# KiCad board keyboard0.kicad_pcb
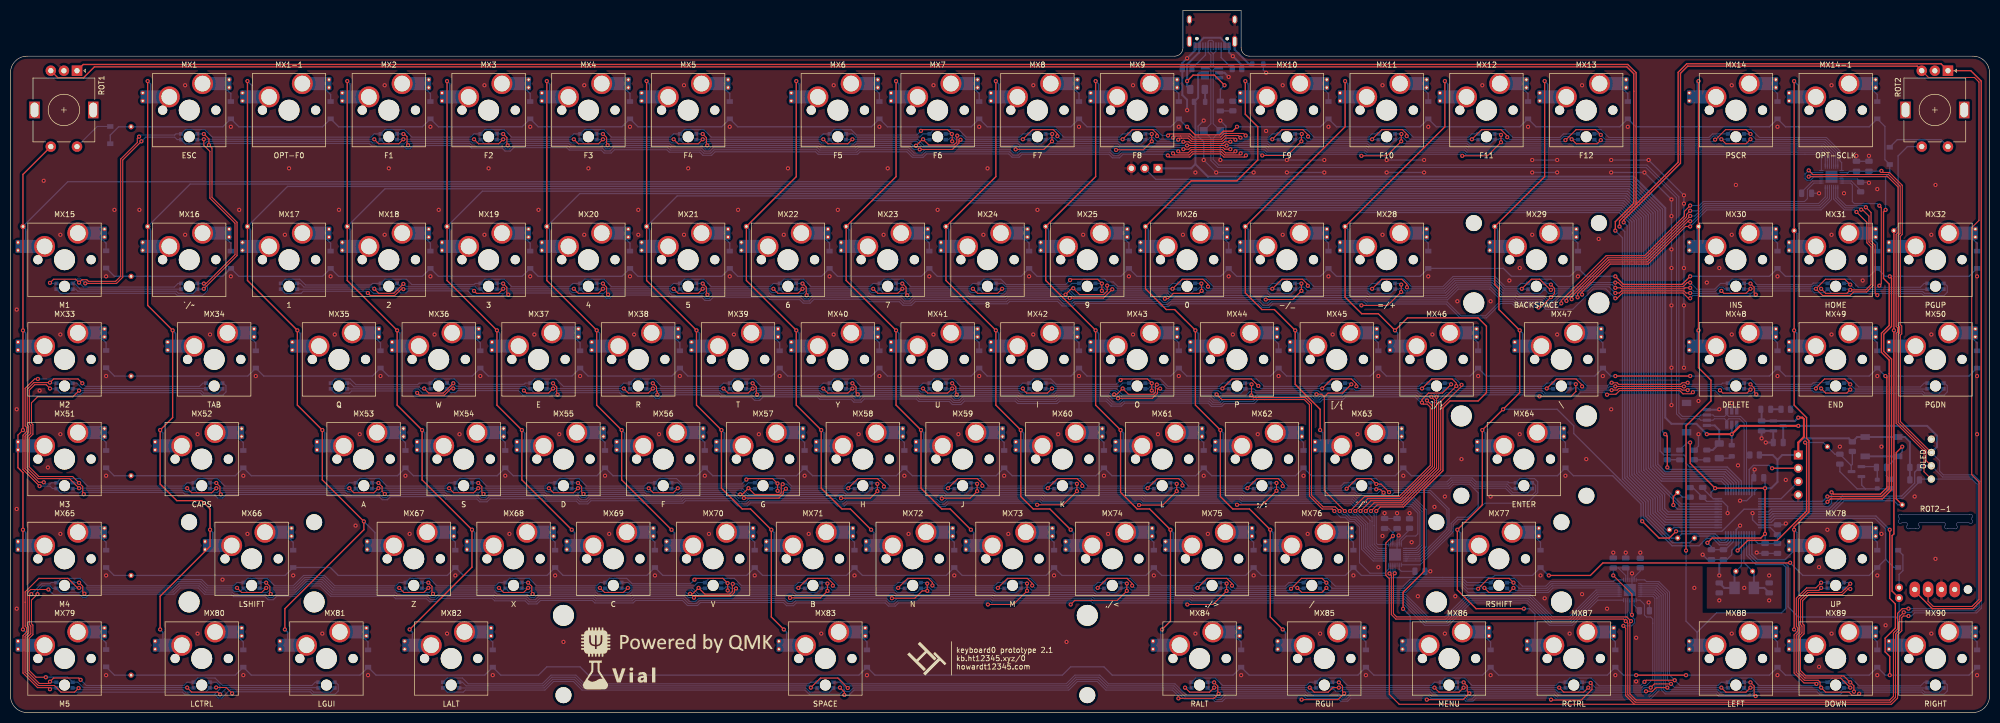
[diagram p0: board, top side]
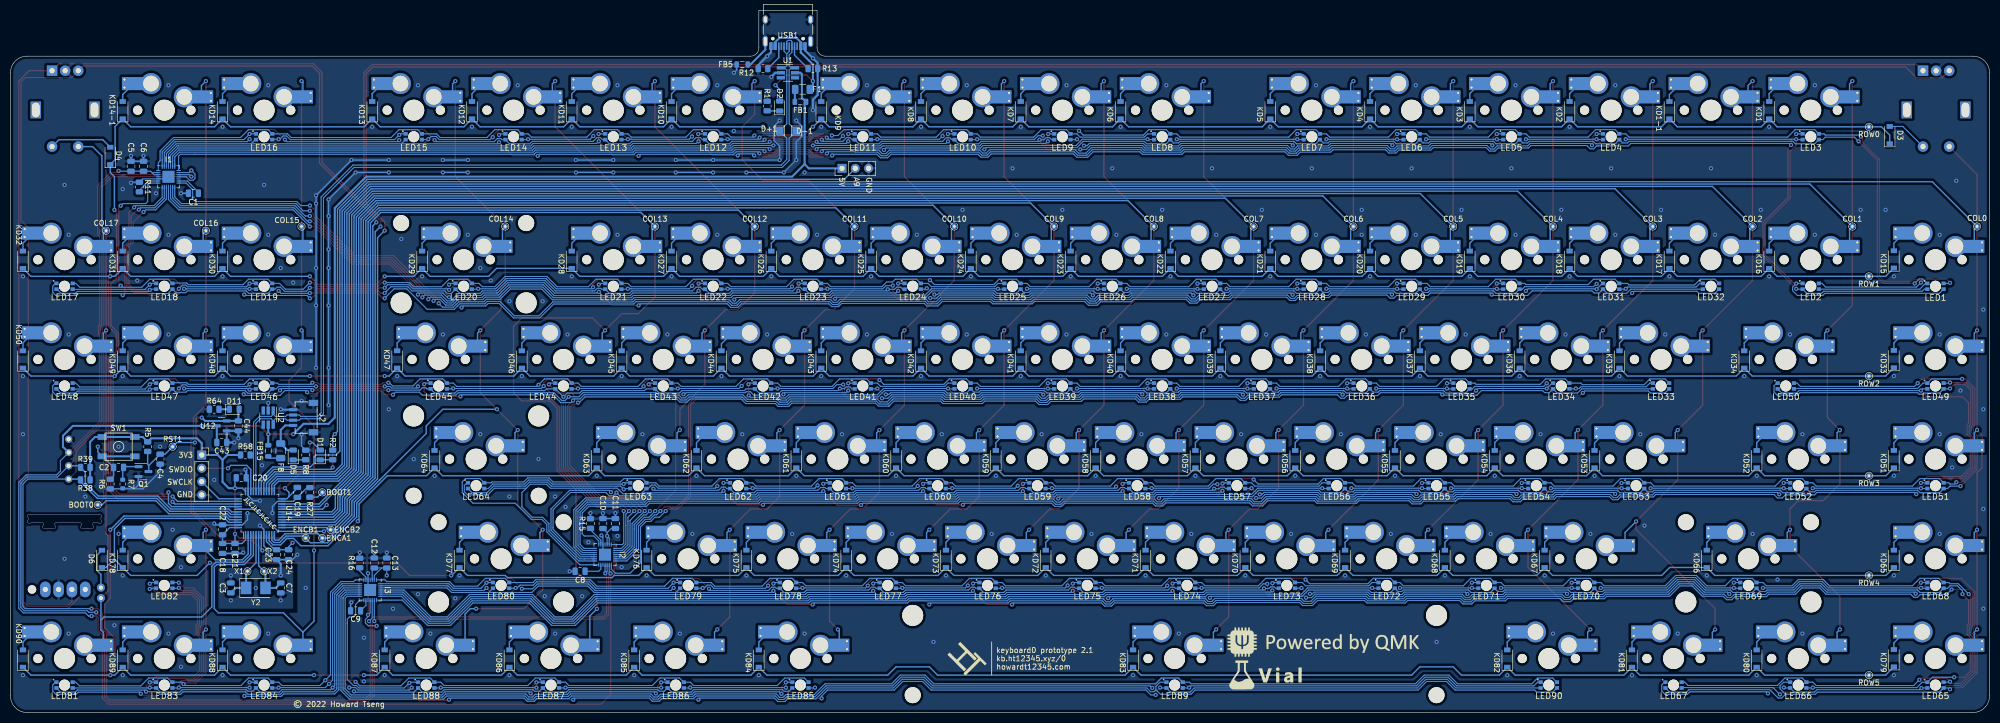
[diagram p1: board, bottom side, seen from below]

Outline 377.8 x 134.14 mm; copper layers: Top, Bottom. Coordinates in mm from the lower left corner of the outline.
Outline path: 0,122.23 arc(0.93,124.47) 3.17,125.4 222.24,125.4 arc(223.36,125.87) 223.82,126.99 223.82,134.14 234.94,134.14 234.94,126.99 arc(235.4,125.87) 236.52,125.4 374.63,125.4 arc(376.87,124.47) 377.8,122.23 377.8,3.17 arc(376.87,0.93) 374.63,0 3.17,0 arc(0.93,0.93) 0,3.17 0,122.23
Stack: Top 0.035mm / dielectric 1.51mm FR4 er 4.5 / Bottom 0.035mm

## Placement (name value [footprint] x y rotation side)
BOOT0  TestPoint_Small  [TestPoint_THTPad_D1.0mm_Drill0.5mm]  361.13 39.69 0 bottom
BOOT1  TestPoint_Small  [TestPoint_THTPad_D1.0mm_Drill0.5mm]  318.27 42.07 0 bottom
C1  100nF  [C_0805_2012Metric]  342.88 99.21 0 bottom
C2  4.7uF  [C_0805_2012Metric]  357.16 46.83 0 bottom
C3  20pF  [C_0805_2012Metric]  335.74 23.81 90 bottom
C4  1uF  [C_0805_2012Metric]  349.23 48.42 270 bottom
C5  1uF  [C_0805_2012Metric]  354.78 104.37 90 bottom
C6  100nF  [C_0805_2012Metric]  352.4 104.37 90 bottom
C7  20pF  [C_0805_2012Metric]  326.21 23.81 270 bottom
C8  100nF  [C_0805_2012Metric]  269.06 26.99 0 bottom
C9  100nF  [C_0805_2012Metric]  311.92 19.45 0 bottom
C10  1uF  [C_0805_2012Metric]  264.7 36.11 90 bottom
C11  100nF  [C_0805_2012Metric]  262.32 36.11 90 bottom
C12  1uF  [C_0805_2012Metric]  308.35 28.57 90 bottom
C13  100nF  [C_0805_2012Metric]  305.97 28.57 90 bottom
C18  100nF  [C_0805_2012Metric]  337.32 31.35 270 bottom
C19  100nF  [C_0805_2012Metric]  323.04 42.07 270 bottom
C20  100nF  [C_0805_2012Metric]  333.75 44.84 180 bottom
C21  10uF  [C_0805_2012Metric]  334.94 31.35 270 bottom
C22  100nF  [C_0805_2012Metric]  337.32 34.92 90 bottom
C23  10nF  [C_0805_2012Metric]  327 30.16 90 bottom
C24  1uF  [C_0805_2012Metric]  324.7 30.16 270 bottom
C43  1uF  [C_0805_2012Metric]  337.47 51.59 180 bottom
C44  1uF  [C_0805_2012Metric]  334.29 54.77 270 bottom
COL0  TestPoint_Small  [TestPoint_THTPad_D1.0mm_Drill0.5mm]  2.38 92.86 0 bottom
COL1  TestPoint_Small  [TestPoint_THTPad_D1.0mm_Drill0.5mm]  26.19 92.86 180 bottom
COL2  TestPoint_Small  [TestPoint_THTPad_D1.0mm_Drill0.5mm]  45.24 92.86 180 bottom
COL3  TestPoint_Small  [TestPoint_THTPad_D1.0mm_Drill0.5mm]  64.29 92.86 180 bottom
COL4  TestPoint_Small  [TestPoint_THTPad_D1.0mm_Drill0.5mm]  83.34 92.86 180 bottom
COL5  TestPoint_Small  [TestPoint_THTPad_D1.0mm_Drill0.5mm]  102.39 92.86 180 bottom
COL6  TestPoint_Small  [TestPoint_THTPad_D1.0mm_Drill0.5mm]  121.44 92.86 180 bottom
COL7  TestPoint_Small  [TestPoint_THTPad_D1.0mm_Drill0.5mm]  140.48 92.86 180 bottom
COL8  TestPoint_Small  [TestPoint_THTPad_D1.0mm_Drill0.5mm]  159.53 92.86 180 bottom
COL9  TestPoint_Small  [TestPoint_THTPad_D1.0mm_Drill0.5mm]  178.58 92.86 180 bottom
COL10  TestPoint_Small  [TestPoint_THTPad_D1.0mm_Drill0.5mm]  197.63 92.86 180 bottom
COL11  TestPoint_Small  [TestPoint_THTPad_D1.0mm_Drill0.5mm]  216.68 92.86 180 bottom
COL12  TestPoint_Small  [TestPoint_THTPad_D1.0mm_Drill0.5mm]  235.73 92.86 180 bottom
COL13  TestPoint_Small  [TestPoint_THTPad_D1.0mm_Drill0.5mm]  254.78 92.86 180 bottom
COL14  TestPoint_Small  [TestPoint_THTPad_D1.0mm_Drill0.5mm]  283.35 92.86 180 bottom
COL15  TestPoint_Small  [TestPoint_THTPad_D1.0mm_Drill0.5mm]  322.24 92.86 180 bottom
COL16  TestPoint_Small  [TestPoint_THTPad_D1.0mm_Drill0.5mm]  340.5 92.07 180 bottom
COL17  TestPoint_Small  [TestPoint_THTPad_D1.0mm_Drill0.5mm]  359.55 92.07 180 bottom
D1  Green  [LED_0805_2012Metric]  318.67 49.21 90 bottom
D2  Red  [LED_0805_2012Metric]  230.97 115.88 90 bottom
D3  SOD-123  [D_SOD-123]  19.05 110.32 90 bottom
D4  SOD-123  [D_SOD-123]  358.75 106.36 90 bottom
D5  Red  [LED_0805_2012Metric]  323.83 49.21 90 bottom
D6  SOD-123  [D_SOD-123]  360.34 29.37 90 bottom
D11  Red  [LED_0805_2012Metric]  335.09 57.94 180 bottom
D+1  TestPoint_Small  [TestPoint_Pad_1.5x1.5mm]  230.97 111.12 0 bottom
D-1  TestPoint_Small  [TestPoint_Pad_1.5x1.5mm]  227.79 111.12 0 bottom
ENCA1  TestPoint_Small  [TestPoint_THTPad_D1.0mm_Drill0.5mm]  318.27 33.34 180 bottom
ENCB1  TestPoint_Small  [TestPoint_THTPad_D1.0mm_Drill0.5mm]  321.45 33.34 0 bottom
ENCB2  TestPoint_Small  [TestPoint_THTPad_D1.0mm_Drill0.5mm]  316.69 34.92 180 bottom
F1  500mA  [Fuse_1206_3216Metric]  226.6 119.06 0 bottom
F8  500mA  [Fuse_1206_3216Metric]  326.21 50 270 bottom
FB1  60 @ 100 MHz  [L_0805_2012Metric]  227 116.67 180 bottom
FB5  60 @ 100 MHz  [L_0805_2012Metric]  238.11 123.82 180 bottom
FB15  60 @ 100 MHz  [L_0805_2012Metric]  328.59 50 90 bottom
I1  IS31FL3731-QFLS2  [QFN-28-1EP_4x4mm_P0.4mm_EP2.3x2.3mm]  347.64 102.35 180 bottom
I2  IS31FL3731-QFLS2  [QFN-28-1EP_4x4mm_P0.4mm_EP2.3x2.3mm]  264.3 30.16 270 bottom
I3  IS31FL3731-QFLS2  [QFN-28-1EP_4x4mm_P0.4mm_EP2.3x2.3mm]  309.15 23.41 270 bottom
J1  Conn_01x04  [PinSocket_1x04_P2.54mm_Vertical]  341.29 49.21 180 bottom
J2  SM04B-SRSS-TB(LF)(SN)  [JST-SR-4]  319.07 56.35 90 bottom
J3  Conn_01x03  [PinHeader_1x03_P2.54mm_Vertical]  219.06 103.97 90 bottom
KD1  SOD-123  [D_SOD-123]  42.07 115.09 90 bottom
KD1-1  SOD-123  [D_SOD-123]  61.11 115.09 90 bottom
KD2  SOD-123  [D_SOD-123]  80.16 115.09 90 bottom
KD3  SOD-123  [D_SOD-123]  99.21 115.09 90 bottom
KD4  SOD-123  [D_SOD-123]  118.26 115.09 90 bottom
KD5  SOD-123  [D_SOD-123]  137.31 115.09 90 bottom
KD6  SOD-123  [D_SOD-123]  165.88 115.09 90 bottom
KD7  SOD-123  [D_SOD-123]  184.93 115.09 90 bottom
KD8  SOD-123  [D_SOD-123]  203.98 115.09 90 bottom
KD9  SOD-123  [D_SOD-123]  223.03 115.09 90 bottom
KD10  SOD-123  [D_SOD-123]  251.6 115.09 90 bottom
KD11  SOD-123  [D_SOD-123]  270.65 115.09 90 bottom
KD12  SOD-123  [D_SOD-123]  289.7 115.09 90 bottom
KD13  SOD-123  [D_SOD-123]  308.75 115.09 90 bottom
KD14  SOD-123  [D_SOD-123]  337.32 115.09 90 bottom
KD14-1  SOD-123  [D_SOD-123]  356.37 115.09 90 bottom
KD15  SOD-123  [D_SOD-123]  18.26 86.58 90 bottom
KD16  SOD-123  [D_SOD-123]  42.07 86.51 90 bottom
KD17  SOD-123  [D_SOD-123]  61.11 86.51 90 bottom
KD18  SOD-123  [D_SOD-123]  80.16 86.51 90 bottom
KD19  SOD-123  [D_SOD-123]  99.21 86.51 90 bottom
KD20  SOD-123  [D_SOD-123]  118.26 86.51 90 bottom
KD21  SOD-123  [D_SOD-123]  137.31 86.51 90 bottom
KD22  SOD-123  [D_SOD-123]  156.36 86.51 90 bottom
KD23  SOD-123  [D_SOD-123]  175.41 86.51 90 bottom
KD24  SOD-123  [D_SOD-123]  194.46 86.51 90 bottom
KD25  SOD-123  [D_SOD-123]  213.51 86.51 90 bottom
KD26  SOD-123  [D_SOD-123]  232.55 86.51 90 bottom
KD27  SOD-123  [D_SOD-123]  251.6 86.51 90 bottom
KD28  SOD-123  [D_SOD-123]  270.65 86.51 90 bottom
KD29  SOD-123  [D_SOD-123]  299.22 86.51 90 bottom
KD30  SOD-123  [D_SOD-123]  337.32 86.51 90 bottom
KD31  SOD-123  [D_SOD-123]  356.37 86.51 90 bottom
KD32  SOD-123  [D_SOD-123]  375.42 86.51 90 bottom
KD33  SOD-123  [D_SOD-123]  18.26 67.53 90 bottom
KD34  SOD-123  [D_SOD-123]  46.83 67.46 90 bottom
KD35  SOD-123  [D_SOD-123]  70.64 67.46 90 bottom
KD36  SOD-123  [D_SOD-123]  89.69 67.46 90 bottom
KD37  SOD-123  [D_SOD-123]  108.74 67.46 90 bottom
KD38  SOD-123  [D_SOD-123]  127.79 67.46 90 bottom
KD39  SOD-123  [D_SOD-123]  146.83 67.46 90 bottom
KD40  SOD-123  [D_SOD-123]  165.88 67.46 90 bottom
KD41  SOD-123  [D_SOD-123]  184.93 67.46 90 bottom
KD42  SOD-123  [D_SOD-123]  203.98 67.46 90 bottom
KD43  SOD-123  [D_SOD-123]  223.03 67.46 90 bottom
KD44  SOD-123  [D_SOD-123]  242.08 67.46 90 bottom
KD45  SOD-123  [D_SOD-123]  261.13 67.46 90 bottom
KD46  SOD-123  [D_SOD-123]  280.18 67.46 90 bottom
KD47  SOD-123  [D_SOD-123]  303.99 67.46 90 bottom
KD48  SOD-123  [D_SOD-123]  337.32 67.46 90 bottom
KD49  SOD-123  [D_SOD-123]  356.37 67.46 90 bottom
KD50  SOD-123  [D_SOD-123]  375.42 67.46 90 bottom
KD51  SOD-123  [D_SOD-123]  18.26 48.42 90 bottom
KD52  SOD-123  [D_SOD-123]  44.45 48.42 90 bottom
KD53  SOD-123  [D_SOD-123]  75.4 48.42 90 bottom
KD54  SOD-123  [D_SOD-123]  94.45 48.42 90 bottom
KD55  SOD-123  [D_SOD-123]  113.5 48.42 90 bottom
KD56  SOD-123  [D_SOD-123]  132.55 48.42 90 bottom
KD57  SOD-123  [D_SOD-123]  151.6 48.42 90 bottom
KD58  SOD-123  [D_SOD-123]  170.65 48.42 90 bottom
KD59  SOD-123  [D_SOD-123]  189.69 48.42 90 bottom
KD60  SOD-123  [D_SOD-123]  208.74 48.42 90 bottom
KD61  SOD-123  [D_SOD-123]  227.79 48.42 90 bottom
KD62  SOD-123  [D_SOD-123]  246.84 48.42 90 bottom
KD63  SOD-123  [D_SOD-123]  265.89 48.42 90 bottom
KD64  SOD-123  [D_SOD-123]  296.84 48.42 90 bottom
KD65  SOD-123  [D_SOD-123]  18.26 29.37 90 bottom
KD66  SOD-123  [D_SOD-123]  53.97 29.37 90 bottom
KD67  SOD-123  [D_SOD-123]  84.93 29.37 90 bottom
KD68  SOD-123  [D_SOD-123]  103.97 29.37 90 bottom
KD69  SOD-123  [D_SOD-123]  123.02 29.37 90 bottom
KD70  SOD-123  [D_SOD-123]  142.07 29.37 90 bottom
KD71  SOD-123  [D_SOD-123]  161.12 29.37 90 bottom
KD72  SOD-123  [D_SOD-123]  180.17 29.37 90 bottom
KD73  SOD-123  [D_SOD-123]  199.22 29.37 90 bottom
KD74  SOD-123  [D_SOD-123]  218.27 29.37 90 bottom
KD75  SOD-123  [D_SOD-123]  237.32 29.37 90 bottom
KD76  SOD-123  [D_SOD-123]  256.37 29.37 90 bottom
KD77  SOD-123  [D_SOD-123]  292.08 29.37 90 bottom
KD78  SOD-123  [D_SOD-123]  356.37 29.37 90 bottom
KD79  SOD-123  [D_SOD-123]  18.26 10.38 90 bottom
KD80  SOD-123  [D_SOD-123]  44.45 10.32 90 bottom
KD81  SOD-123  [D_SOD-123]  68.26 10.32 90 bottom
KD82  SOD-123  [D_SOD-123]  92.07 10.32 90 bottom
KD83  SOD-123  [D_SOD-123]  163.5 10.32 90 bottom
KD84  SOD-123  [D_SOD-123]  234.94 10.32 90 bottom
KD85  SOD-123  [D_SOD-123]  258.75 10.32 90 bottom
KD86  SOD-123  [D_SOD-123]  282.56 10.32 90 bottom
KD87  SOD-123  [D_SOD-123]  306.37 10.32 90 bottom
KD88  SOD-123  [D_SOD-123]  337.32 10.32 90 bottom
KD89  SOD-123  [D_SOD-123]  356.37 10.32 90 bottom
KD90  SOD-123  [D_SOD-123]  375.42 10.32 90 bottom
LED1  LED_ABGR  [MHT151RGBCT_with_outline]  10.32 86.51 180 bottom
LED2  LED_ABGR  [MHT151RGBCT_with_outline]  34.13 86.51 180 bottom
LED3  LED_ABGR  [MHT151RGBCT_with_outline]  34.13 115.09 180 bottom
LED4  LED_ABGR  [MHT151RGBCT_with_outline]  72.23 115.09 180 bottom
LED5  LED_ABGR  [MHT151RGBCT_with_outline]  91.28 115.09 180 bottom
LED6  LED_ABGR  [MHT151RGBCT_with_outline]  110.32 115.09 180 bottom
LED7  LED_ABGR  [MHT151RGBCT_with_outline]  129.37 115.09 180 bottom
LED8  LED_ABGR  [MHT151RGBCT_with_outline]  157.95 115.09 180 bottom
LED9  LED_ABGR  [MHT151RGBCT_with_outline]  177 115.09 180 bottom
LED10  LED_ABGR  [MHT151RGBCT_with_outline]  196.04 115.09 180 bottom
LED11  LED_ABGR  [MHT151RGBCT_with_outline]  215.09 115.09 180 bottom
LED12  LED_ABGR  [MHT151RGBCT_with_outline]  243.67 115.09 180 bottom
LED13  LED_ABGR  [MHT151RGBCT_with_outline]  262.71 115.09 180 bottom
LED14  LED_ABGR  [MHT151RGBCT_with_outline]  281.76 115.09 180 bottom
LED15  LED_ABGR  [MHT151RGBCT_with_outline]  300.81 115.09 180 bottom
LED16  LED_ABGR  [MHT151RGBCT_with_outline]  329.39 115.09 180 bottom
LED17  LED_ABGR  [MHT151RGBCT_with_outline]  367.48 86.51 180 bottom
LED18  LED_ABGR  [MHT151RGBCT_with_outline]  348.43 86.51 180 bottom
LED19  LED_ABGR  [MHT151RGBCT_with_outline]  329.39 86.51 180 bottom
LED20  LED_ABGR  [MHT151RGBCT_with_outline]  291.29 86.51 180 bottom
LED21  LED_ABGR  [MHT151RGBCT_with_outline]  262.71 86.51 180 bottom
LED22  LED_ABGR  [MHT151RGBCT_with_outline]  243.67 86.51 180 bottom
LED23  LED_ABGR  [MHT151RGBCT_with_outline]  224.62 86.51 180 bottom
LED24  LED_ABGR  [MHT151RGBCT_with_outline]  205.57 86.51 180 bottom
LED25  LED_ABGR  [MHT151RGBCT_with_outline]  186.52 86.51 180 bottom
LED26  LED_ABGR  [MHT151RGBCT_with_outline]  167.47 86.51 180 bottom
LED27  LED_ABGR  [MHT151RGBCT_with_outline]  148.42 86.51 180 bottom
LED28  LED_ABGR  [MHT151RGBCT_with_outline]  129.37 86.51 180 bottom
LED29  LED_ABGR  [MHT151RGBCT_with_outline]  110.32 86.51 180 bottom
LED30  LED_ABGR  [MHT151RGBCT_with_outline]  91.28 86.51 180 bottom
LED31  LED_ABGR  [MHT151RGBCT_with_outline]  72.23 86.51 180 bottom
LED32  LED_ABGR  [MHT151RGBCT_with_outline]  53.18 86.51 180 bottom
LED33  LED_ABGR  [MHT151RGBCT_with_outline]  62.7 67.46 180 bottom
LED34  LED_ABGR  [MHT151RGBCT_with_outline]  81.75 67.46 180 bottom
LED35  LED_ABGR  [MHT151RGBCT_with_outline]  100.8 67.46 180 bottom
LED36  LED_ABGR  [MHT151RGBCT_with_outline]  119.85 67.46 180 bottom
LED37  LED_ABGR  [MHT151RGBCT_with_outline]  138.9 67.46 180 bottom
LED38  LED_ABGR  [MHT151RGBCT_with_outline]  157.95 67.46 180 bottom
LED39  LED_ABGR  [MHT151RGBCT_with_outline]  177 67.46 180 bottom
LED40  LED_ABGR  [MHT151RGBCT_with_outline]  196.04 67.46 180 bottom
LED41  LED_ABGR  [MHT151RGBCT_with_outline]  215.09 67.46 180 bottom
LED42  LED_ABGR  [MHT151RGBCT_with_outline]  234.14 67.46 180 bottom
LED43  LED_ABGR  [MHT151RGBCT_with_outline]  253.19 67.46 180 bottom
LED44  LED_ABGR  [MHT151RGBCT_with_outline]  272.24 67.46 180 bottom
LED45  LED_ABGR  [MHT151RGBCT_with_outline]  296.05 67.46 180 bottom
LED46  LED_ABGR  [MHT151RGBCT_with_outline]  329.39 67.46 180 bottom
LED47  LED_ABGR  [MHT151RGBCT_with_outline]  348.43 67.46 180 bottom
LED48  LED_ABGR  [MHT151RGBCT_with_outline]  367.48 67.46 180 bottom
LED49  LED_ABGR  [MHT151RGBCT_with_outline]  10.32 67.46 180 bottom
LED50  LED_ABGR  [MHT151RGBCT_with_outline]  38.89 67.46 180 bottom
LED51  LED_ABGR  [MHT151RGBCT_with_outline]  10.32 48.42 180 bottom
LED52  LED_ABGR  [MHT151RGBCT_with_outline]  36.51 48.42 180 bottom
LED53  LED_ABGR  [MHT151RGBCT_with_outline]  67.46 48.42 180 bottom
LED54  LED_ABGR  [MHT151RGBCT_with_outline]  86.51 48.42 180 bottom
LED55  LED_ABGR  [MHT151RGBCT_with_outline]  105.56 48.42 180 bottom
LED56  LED_ABGR  [MHT151RGBCT_with_outline]  124.61 48.42 180 bottom
LED57  LED_ABGR  [MHT151RGBCT_with_outline]  143.66 48.42 180 bottom
LED58  LED_ABGR  [MHT151RGBCT_with_outline]  162.71 48.42 180 bottom
LED59  LED_ABGR  [MHT151RGBCT_with_outline]  181.76 48.42 180 bottom
LED60  LED_ABGR  [MHT151RGBCT_with_outline]  200.81 48.42 180 bottom
LED61  LED_ABGR  [MHT151RGBCT_with_outline]  219.85 48.42 180 bottom
LED62  LED_ABGR  [MHT151RGBCT_with_outline]  238.9 48.42 180 bottom
LED63  LED_ABGR  [MHT151RGBCT_with_outline]  257.95 48.42 180 bottom
LED64  LED_ABGR  [MHT151RGBCT_with_outline]  288.91 48.42 180 bottom
LED65  LED_ABGR  [MHT151RGBCT_with_outline]  10.32 10.32 180 bottom
LED66  LED_ABGR  [MHT151RGBCT_with_outline]  36.51 10.32 180 bottom
LED67  LED_ABGR  [MHT151RGBCT_with_outline]  60.32 10.32 180 bottom
LED68  LED_ABGR  [MHT151RGBCT_with_outline]  10.32 29.37 180 bottom
LED69  LED_ABGR  [MHT151RGBCT_with_outline]  46.03 29.37 180 bottom
LED70  LED_ABGR  [MHT151RGBCT_with_outline]  76.99 29.37 180 bottom
LED71  LED_ABGR  [MHT151RGBCT_with_outline]  96.04 29.37 180 bottom
LED72  LED_ABGR  [MHT151RGBCT_with_outline]  115.09 29.37 180 bottom
LED73  LED_ABGR  [MHT151RGBCT_with_outline]  134.14 29.37 180 bottom
LED74  LED_ABGR  [MHT151RGBCT_with_outline]  153.18 29.37 180 bottom
LED75  LED_ABGR  [MHT151RGBCT_with_outline]  172.23 29.37 180 bottom
LED76  LED_ABGR  [MHT151RGBCT_with_outline]  191.28 29.37 180 bottom
LED77  LED_ABGR  [MHT151RGBCT_with_outline]  210.33 29.37 180 bottom
LED78  LED_ABGR  [MHT151RGBCT_with_outline]  229.38 29.37 180 bottom
LED79  LED_ABGR  [MHT151RGBCT_with_outline]  248.43 29.37 180 bottom
LED80  LED_ABGR  [MHT151RGBCT_with_outline]  284.14 29.37 180 bottom
LED81  LED_ABGR  [MHT151RGBCT_with_outline]  367.48 10.32 180 bottom
LED82  LED_ABGR  [MHT151RGBCT_with_outline]  348.43 29.37 180 bottom
LED83  LED_ABGR  [MHT151RGBCT_with_outline]  348.43 10.32 180 bottom
LED84  LED_ABGR  [MHT151RGBCT_with_outline]  329.39 10.32 180 bottom
LED85  LED_ABGR  [MHT151RGBCT_with_outline]  227 10.32 180 bottom
LED86  LED_ABGR  [MHT151RGBCT_with_outline]  250.81 10.32 180 bottom
LED87  LED_ABGR  [MHT151RGBCT_with_outline]  274.62 10.32 180 bottom
LED88  LED_ABGR  [MHT151RGBCT_with_outline]  298.43 10.32 180 bottom
LED89  LED_ABGR  [MHT151RGBCT_with_outline]  155.57 10.32 180 bottom
LED90  LED_ABGR  [MHT151RGBCT_with_outline]  84.13 10.32 180 bottom
LOGO0  Logo  [logo]  195.25 13.49 0 top
LOGO0#2  Logo  [logo]  174.86 13.52 180 bottom
LOGO1  QMK  [qmk]  127.28 13.49 0 top
LOGO1#2  QMK  [qmk]  127.12 13.49 180 bottom
LOGO2  Vial  [vial_logo]  117.1 7.14 0 top
LOGO2#2  Vial  [vial_logo]  137.31 7.14 180 bottom
MX1  ESC  [CherryMX_1.00u_PCB_KailhSocket]  34.13 115.09 0 top
MX1-1  OPT-F0  [CherryMX_1.00u_PCB_KailhSocket]  53.18 115.09 0 top
MX2  F1  [CherryMX_1.00u_PCB_KailhSocket]  72.23 115.09 0 top
MX3  F2  [CherryMX_1.00u_PCB_KailhSocket]  91.28 115.09 0 top
MX4  F3  [CherryMX_1.00u_PCB_KailhSocket]  110.32 115.09 0 top
MX5  F4  [CherryMX_1.00u_PCB_KailhSocket]  129.37 115.09 0 top
MX6  F5  [CherryMX_1.00u_PCB_KailhSocket]  157.95 115.09 0 top
MX7  F6  [CherryMX_1.00u_PCB_KailhSocket]  177 115.09 0 top
MX8  F7  [CherryMX_1.00u_PCB_KailhSocket]  196.04 115.09 0 top
MX9  F8  [CherryMX_1.00u_PCB_KailhSocket]  215.09 115.09 0 top
MX10  F9  [CherryMX_1.00u_PCB_KailhSocket]  243.67 115.09 0 top
MX11  F10  [CherryMX_1.00u_PCB_KailhSocket]  262.71 115.09 0 top
MX12  F11  [CherryMX_1.00u_PCB_KailhSocket]  281.76 115.09 0 top
MX13  F12  [CherryMX_1.00u_PCB_KailhSocket]  300.81 115.09 0 top
MX14  PSCR  [CherryMX_1.00u_PCB_KailhSocket]  329.39 115.09 0 top
MX14-1  OPT-SCLK  [CherryMX_1.00u_PCB_KailhSocket]  348.43 115.09 0 top
MX15  M1  [CherryMX_1.00u_PCB_KailhSocket]  10.32 86.51 0 top
MX16  `/~  [CherryMX_1.00u_PCB_KailhSocket]  34.13 86.51 0 top
MX17  1  [CherryMX_1.00u_PCB_KailhSocket]  53.18 86.51 0 top
MX18  2  [CherryMX_1.00u_PCB_KailhSocket]  72.23 86.51 0 top
MX19  3  [CherryMX_1.00u_PCB_KailhSocket]  91.28 86.51 0 top
MX20  4  [CherryMX_1.00u_PCB_KailhSocket]  110.32 86.51 0 top
MX21  5  [CherryMX_1.00u_PCB_KailhSocket]  129.37 86.51 0 top
MX22  6  [CherryMX_1.00u_PCB_KailhSocket]  148.42 86.51 0 top
MX23  7  [CherryMX_1.00u_PCB_KailhSocket]  167.47 86.51 0 top
MX24  8  [CherryMX_1.00u_PCB_KailhSocket]  186.52 86.51 0 top
MX25  9  [CherryMX_1.00u_PCB_KailhSocket]  205.57 86.51 0 top
MX26  0  [CherryMX_1.00u_PCB_KailhSocket]  224.62 86.51 0 top
MX27  -/_  [CherryMX_1.00u_PCB_KailhSocket]  243.67 86.51 0 top
MX28  =/+  [CherryMX_1.00u_PCB_KailhSocket]  262.71 86.51 0 top
MX29  BACKSPACE  [CherryMX_2.00u_PCB_KailhSocket_StabWireBottom]  291.29 86.51 0 top
MX30  INS  [CherryMX_1.00u_PCB_KailhSocket]  329.39 86.51 0 top
MX31  HOME  [CherryMX_1.00u_PCB_KailhSocket]  348.43 86.51 0 top
MX32  PGUP  [CherryMX_1.00u_PCB_KailhSocket]  367.48 86.51 0 top
MX33  M2  [CherryMX_1.00u_PCB_KailhSocket]  10.32 67.46 0 top
MX34  TAB  [CherryMX_1.50u_PCB_KailhSocket]  38.89 67.46 0 top
MX35  Q  [CherryMX_1.00u_PCB_KailhSocket]  62.7 67.46 0 top
MX36  W  [CherryMX_1.00u_PCB_KailhSocket]  81.75 67.46 0 top
MX37  E  [CherryMX_1.00u_PCB_KailhSocket]  100.8 67.46 0 top
MX38  R  [CherryMX_1.00u_PCB_KailhSocket]  119.85 67.46 0 top
MX39  T  [CherryMX_1.00u_PCB_KailhSocket]  138.9 67.46 0 top
MX40  Y  [CherryMX_1.00u_PCB_KailhSocket]  157.95 67.46 0 top
MX41  U  [CherryMX_1.00u_PCB_KailhSocket]  177 67.46 0 top
MX42  I  [CherryMX_1.00u_PCB_KailhSocket]  196.04 67.46 0 top
MX43  O  [CherryMX_1.00u_PCB_KailhSocket]  215.09 67.46 0 top
MX44  P  [CherryMX_1.00u_PCB_KailhSocket]  234.14 67.46 0 top
MX45  [/{  [CherryMX_1.00u_PCB_KailhSocket]  253.19 67.46 0 top
MX46  ]/}  [CherryMX_1.00u_PCB_KailhSocket]  272.24 67.46 0 top
MX47  \  [CherryMX_1.50u_PCB_KailhSocket]  296.05 67.46 0 top
MX48  DELETE  [CherryMX_1.00u_PCB_KailhSocket]  329.39 67.46 0 top
MX49  END  [CherryMX_1.00u_PCB_KailhSocket]  348.43 67.46 0 top
MX50  PGDN  [CherryMX_1.00u_PCB_KailhSocket]  367.48 67.46 0 top
MX51  M3  [CherryMX_1.00u_PCB_KailhSocket]  10.32 48.42 0 top
MX52  CAPS  [CherryMX_1.25u_PCB_KailhSocket]  36.51 48.42 0 top
MX53  A  [CherryMX_1.00u_PCB_KailhSocket]  67.41 48.42 0 top
MX54  S  [CherryMX_1.00u_PCB_KailhSocket]  86.51 48.42 0 top
MX55  D  [CherryMX_1.00u_PCB_KailhSocket]  105.56 48.42 0 top
MX56  F  [CherryMX_1.00u_PCB_KailhSocket]  124.61 48.42 0 top
MX57  G  [CherryMX_1.00u_PCB_KailhSocket]  143.66 48.42 0 top
MX58  H  [CherryMX_1.00u_PCB_KailhSocket]  162.71 48.42 0 top
MX59  J  [CherryMX_1.00u_PCB_KailhSocket]  181.76 48.42 0 top
MX60  K  [CherryMX_1.00u_PCB_KailhSocket]  200.81 48.42 0 top
MX61  L  [CherryMX_1.00u_PCB_KailhSocket]  219.85 48.42 0 top
MX62  ;/:  [CherryMX_1.00u_PCB_KailhSocket]  238.9 48.42 0 top
MX63  '/"  [CherryMX_1.00u_PCB_KailhSocket]  257.95 48.42 0 top
MX64  ENTER  [CherryMX_2.25u_PCB_KailhSocket_StabWireTop]  288.91 48.42 0 top
MX65  M4  [CherryMX_1.00u_PCB_KailhSocket]  10.32 29.37 0 top
MX66  LSHIFT  [CherryMX_2.25u_PCB_KailhSocket_StabWireBottom]  46.03 29.37 0 top
MX67  Z  [CherryMX_1.00u_PCB_KailhSocket]  76.99 29.37 0 top
MX68  X  [CherryMX_1.00u_PCB_KailhSocket]  96.04 29.37 0 top
MX69  C  [CherryMX_1.00u_PCB_KailhSocket]  115.09 29.37 0 top
MX70  V  [CherryMX_1.00u_PCB_KailhSocket]  134.14 29.37 0 top
MX71  B  [CherryMX_1.00u_PCB_KailhSocket]  153.18 29.37 0 top
MX72  N  [CherryMX_1.00u_PCB_KailhSocket]  172.23 29.37 0 top
MX73  M  [CherryMX_1.00u_PCB_KailhSocket]  191.28 29.37 0 top
MX74  ,/<  [CherryMX_1.00u_PCB_KailhSocket]  210.33 29.37 0 top
MX75  ./>  [CherryMX_1.00u_PCB_KailhSocket]  229.38 29.37 0 top
MX76  /  [CherryMX_1.00u_PCB_KailhSocket]  248.43 29.37 0 top
MX77  RSHIFT  [CherryMX_2.75u_PCB_KailhSocket_StabWireBottom]  284.14 29.37 0 top
MX78  UP  [CherryMX_1.00u_PCB_KailhSocket]  348.43 29.37 0 top
MX79  M5  [CherryMX_1.00u_PCB_KailhSocket]  10.32 10.32 0 top
MX80  LCTRL  [CherryMX_1.25u_PCB_KailhSocket]  36.51 10.32 0 top
MX81  LGUI  [CherryMX_1.25u_PCB_KailhSocket]  60.32 10.32 0 top
MX82  LALT  [CherryMX_1.25u_PCB_KailhSocket]  84.13 10.32 0 top
MX83  SPACE  [CherryMX_6.25u_PCB_KailhSocket_StabWireTop]  155.57 10.32 0 top
MX84  RALT  [CherryMX_1.25u_PCB_KailhSocket]  227 10.32 0 top
MX85  RGUI  [CherryMX_1.25u_PCB_KailhSocket]  250.81 10.32 0 top
MX86  MENU  [CherryMX_1.25u_PCB_KailhSocket]  274.62 10.32 0 top
MX87  RCTRL  [CherryMX_1.25u_PCB_KailhSocket]  298.43 10.32 0 top
MX88  LEFT  [CherryMX_1.00u_PCB_KailhSocket]  329.39 10.32 0 top
MX89  DOWN  [CherryMX_1.00u_PCB_KailhSocket]  348.43 10.32 0 top
MX90  RIGHT  [CherryMX_1.00u_PCB_KailhSocket]  367.48 10.32 0 top
OL1  OLED  [OLED_v2]  366.69 48.42 90 top
Q1  2N7002  [SOT-23]  352.4 46.03 180 bottom
R1  680  [R_0805_2012Metric]  233.35 115.88 270 bottom
R2  510  [R_0805_2012Metric]  316.29 49.21 270 bottom
R5  10k  [R_0805_2012Metric]  351.61 50.8 270 bottom
R6  10k  [R_0805_2012Metric]  358.75 43.65 270 bottom
R7  100k  [R_0603_1608Metric]  356.37 43.65 270 bottom
R8  680  [R_0805_2012Metric]  321.45 49.21 270 bottom
R11  20k  [R_0805_2012Metric]  353.2 100.4 270 bottom
R12  5.1K  [R_0805_2012Metric]  234.14 123.02 0 bottom
R13  5.1K  [R_0805_2012Metric]  224.62 123.02 180 bottom
R15  20k  [R_0805_2012Metric]  267.08 36.11 270 bottom
R16  20k  [R_0805_2012Metric]  311.13 28.57 270 bottom
R27  10k  [R_0805_2012Metric]  320.65 42.07 270 bottom
R38  4.7k  [R_0805_2012Metric]  363.51 44.45 0 bottom
R39  4.7k  [R_0805_2012Metric]  363.51 46.83 0 bottom
R58  1.5k  [R_0805_2012Metric]  332.96 49.21 180 bottom
R64  510  [R_0805_2012Metric]  338.91 57.94 180 bottom
ROT1  EC11  [RotaryEncoder_Alps_EC11E-Switch_Vertical_H20mm]  12.7 122.63 270 top
ROT2  EC11  [RotaryEncoder_Alps_EC11E-Switch_Vertical_H20mm]  369.86 122.63 270 top
ROT2-1  -  [EVQWGD001]  367.48 29.37 180 top
ROW0  TestPoint_Small  [TestPoint_THTPad_D1.0mm_Drill0.5mm]  23.02 111.91 0 bottom
ROW1  TestPoint_Small  [TestPoint_THTPad_D1.0mm_Drill0.5mm]  23.02 83.34 0 bottom
ROW2  TestPoint_Small  [TestPoint_THTPad_D1.0mm_Drill0.5mm]  23.02 64.29 0 bottom